# KiCad board KlusterLab r2.0.kicad_pcb (continued)
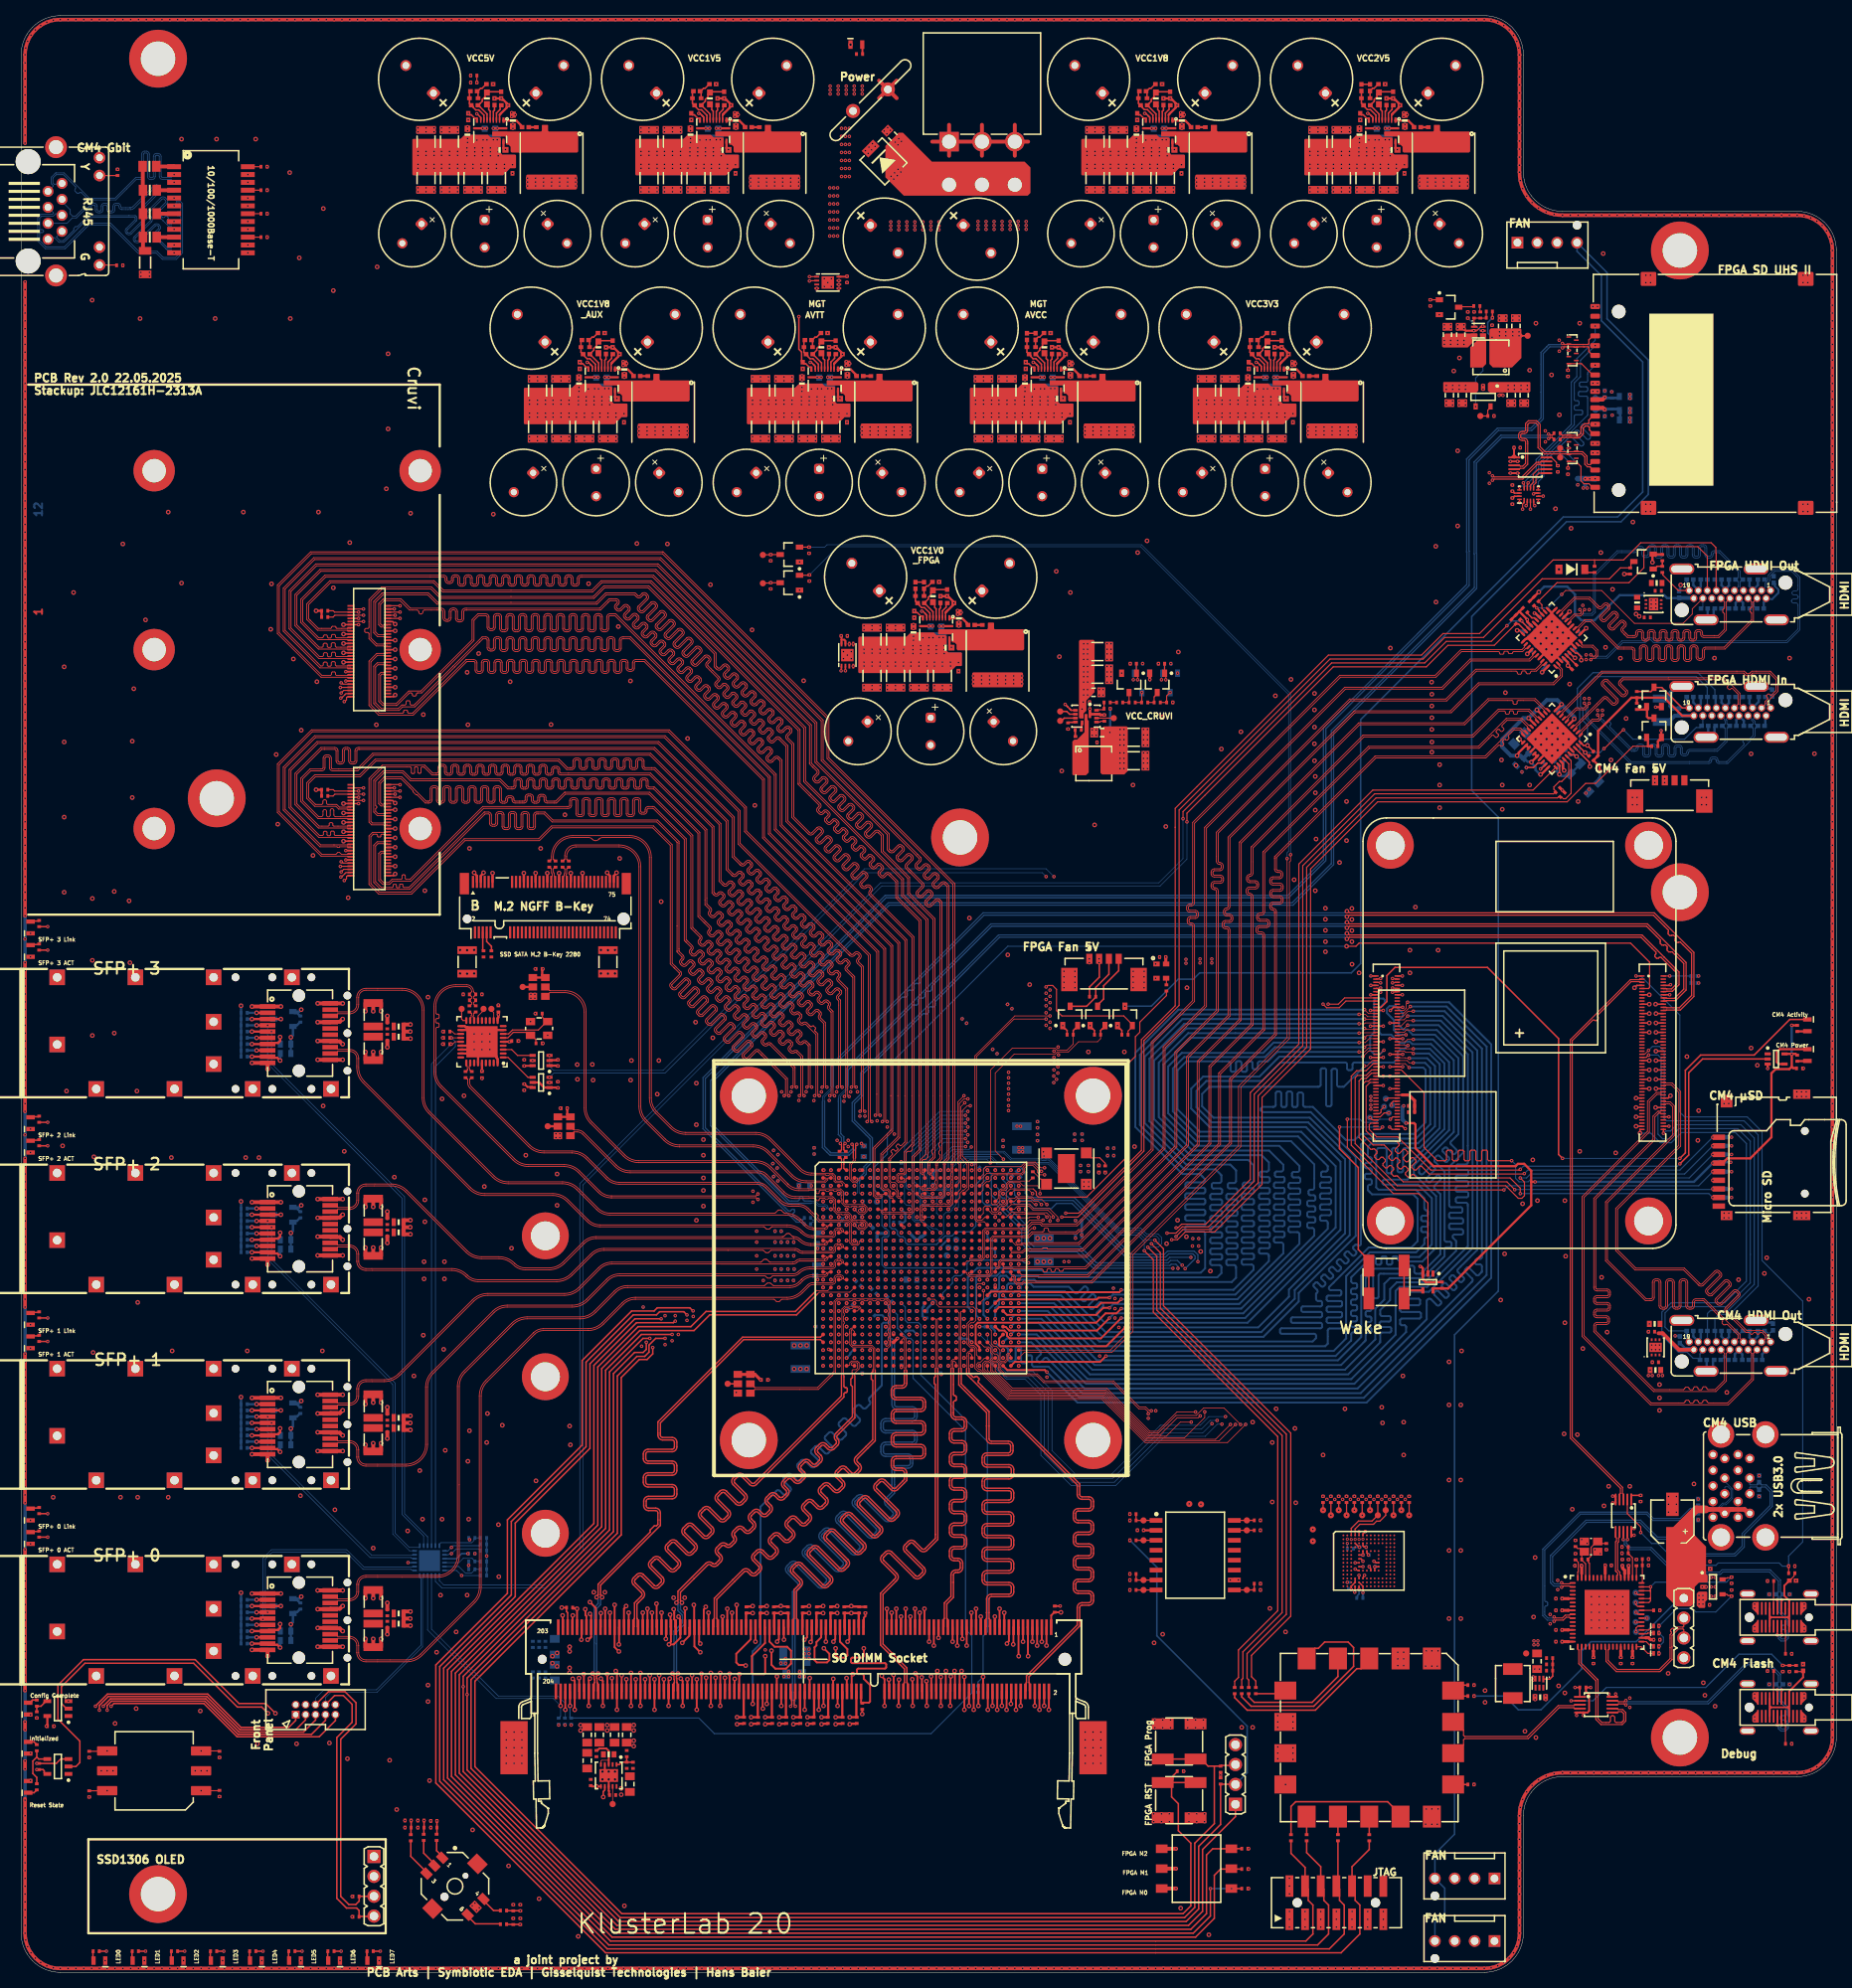
[diagram p0: board, top side]
## Nets (continued)
NetJ34_9: J34.9 R149.2
NetJ34_11: J34.11 R137.2
NetL9_2: L9.2 U6.4
NetL20_1: L20.1 R323.1 U37.8
NetL21_2: L21.2 U40.4
NetQ9_1: Q9.1 R161.2 R162.1
NetQ10_3: Q10.3 Q11.1 R171.1
NetQ13_3: Q13.3 R327.1 R328.2
NetQ14_3: Q14.3 R328.1 R329.2
NetQ15_3: Q15.3 R329.1 R330.2
NetQ16_3: Q16.3 R330.1 R331.2
NetQ17_3: Q17.3 R341.1
NetR16_1: R16.1 U1.M6
NetR68_2: R68.2 R73.1 U7.48
NetR74_2: R74.2 U7.41
NetR76_1: R76.1 T1.10
NetR77_1: R77.1 T1.7
NetR78_2: R78.2 U7.64
NetR80_2: R80.2 U7.49
NetR96_2: R96.2 U11.15
NetR97_2: R97.2 U11.10
NetR98_1: R98.1 R102.2 U11.18
NetR99_2: R99.2 U11.11
NetR100_2: R100.2 U11.12
NetR101_2: R101.2 U11.13
NetR103_2: R103.2 Y2.1
NetR104_1: R104.1 Y2.3
NetR106_1: R106.1 R108.1 U12.4
NetR107_1: R107.1 R109.2 U15.4
NetR113_1: R113.1 U11.3
NetR114_1: R114.1 U11.4
NetR115_1: R115.1 U11.5
NetR116_1: R116.1 U11.6
NetR117_1: R117.1 U1.B26
NetR131_1: R131.1 T1.4
NetR148_1: R148.1 Y7.3
NetR150_1: R150.1 T1.1
NetR152_2: R152.2 U19.30
NetR156_2: R156.2 U19.7
NetR157_2: R157.2 U19.6
NetR160_2: R160.2 U19.5
NetR163_2: R163.2 U19.25
NetR178_2: R178.2 S5.1
NetR184_2: R184.2 S5.3
NetR185_2: R185.2 S5.2
NetR186_2: R186.2 S5.4
NetR188_2: R188.2 S5.6
NetR200_1: R200.1 R203.2 U22.22
NetR201_1: R201.1 R204.2 U22.23
NetR202_1: R202.1 R205.2 U22.18
NetR207_2: R207.2 R210.1
NetR211_2: R211.2 U23.21
NetR213_1: R213.1 U28.1
NetR218_2: R218.2 U28.3
NetR219_2: R219.2 U28.4
NetR221_1: R221.1 U29.1
NetR226_2: R226.2 U29.3
NetR227_2: R227.2 U29.4
NetR232_1: R232.1 U13.1
NetR234_1: R234.1 U30.1
NetR239_2: R239.2 U30.3
NetR240_2: R240.2 U30.4
NetR242_1: R242.1 U31.1
NetR247_2: R247.2 U31.3
NetR248_2: R248.2 U31.4
NetR250_1: R250.1 U32.1
NetR274_2: R274.2 U1.B25
NetR288_2: R288.2 R300.1
NetR292_2: R292.2 U13.3
NetR293_2: R293.2 U13.4
NetR295_2: R295.2 U32.3
NetR296_2: R296.2 U32.4
NetR298_1: R298.1 U33.1
NetR303_2: R303.2 U33.3
NetR304_2: R304.2 U33.4
NetR306_1: R306.1 U34.1
NetR308_2: R308.2 R322.1
NetR311_2: R311.2 U34.3
NetR312_2: R312.2 U34.4
NetR314_1: R314.1 U35.1
NetR319_2: R319.2 U35.3
NetR320_2: R320.2 U35.4
NetR325_1: R325.1 R326.2 U37.12
NetR326_1: R326.1 R327.2
NetR340_1: R340.1 R341.2
NetS1_1: S1.1 S1.3 U4.4
NetTP1_1: TP1.1 U2.9
NetTP8_1: TP8.1 U1.M17
NetTP9_1: TP9.1 U1.L18
NetTP10_1: TP10.1 U1.L17
NetTP11_1: TP11.1 U1.K18
NetTP12_1: TP12.1 U11.9
NetTP13_1: TP13.1 U23.18
NetTP14_1: TP14.1 U23.11
NetTP15_1: TP15.1 U23.15
NetTP16_1: TP16.1 Y4.2
NetTP17_1: TP17.1 Y5.2
NetTP18_1: TP18.1 Y6.2
NetTP21_1: TP21.1 U1.E8
NetTP22_1: TP22.1 U1.M12
NetTP26_1: TP26.1 U7.38
NetTP27_1: TP27.1 U7.37
NetTP29_1: TP29.1 U37.4
NetTP30_1: TP30.1 U37.5
NetTP31_1: TP31.1 U37.10
PCIe_C_TX0_N: C82.1 U1.A3
PCIe_C_TX0_P: C81.1 U1.A4
PCIe_CLKREQ: J8.102 R69.1 R70.1
PCIe_PERST: J8.109 U1.P18
PCIe_REFCLK_N: J8.112 U1.D5
PCIe_REFCLK_P: J8.110 U1.D6
PCIe_RX0_N: J8.124 U1.B5
PCIe_RX0_P: J8.122 U1.B6
PCIe_TX0_N: C82.2 J8.118
PCIe_TX0_P: C81.2 J8.116
Pi_Activity: D1.1 J7.21
PI_~{EXTRST: J7.100 U1.U16
Power_LED: J7.95 U3.2
PSU_CTRL.1V0_FPGA_EN: NT8.1 U13.8
PSU_CTRL.1V0_FPGA_PG: NT4.2 R254.2 U13.9
PSU_CTRL.1V0_MGTAVCC_EN: NT7.1 U33.8
PSU_CTRL.1V0_MGTAVCC_PG: NT6.2 R299.2 U33.9
PSU_CTRL.1V2_MGTAVTT_EN: NT6.1 U32.8
PSU_CTRL.1V2_MGTAVTT_PG: NT1.2 NT2.2 NT3.2 NT5.2 NT9.2 R251.2 U32.9
PSU_CTRL.1V5_EN: NT5.1 U31.8
PSU_CTRL.1V5_PG: R243.2 U31.9
PSU_CTRL.1V8_EN: NT3.1 U29.8
PSU_CTRL.1V8_PG: R222.2 U29.9
PSU_CTRL.1V8AUX_EN: NT4.1 U30.8
PSU_CTRL.1V8AUX_PG: NT7.2 R235.2 U30.9
PSU_CTRL.2V5_EN: NT2.1 U34.8
PSU_CTRL.2V5_PG: R307.2 U34.9
PSU_CTRL.3V3_EN: NT1.1 U35.8
PSU_CTRL.3V3_PG: R315.2 U35.9
PSU_CTRL.5V0_EN: R228.1 R229.2 U28.8
PSU_CTRL.5V0_PG: NT8.2 R214.2 U28.9
PSU_CTRL.VCC_CRUVI_EN: NT9.1 U37.3
PSU_CTRL.VCC_CRUVI_PG: R324.2 U37.6
REC_CLOCK_C_N: C191.2 R206.2 R231.2 U1.P21
REC_CLOCK_C_P: C189.2 R206.1 R230.2 U1.R21
REC_CLOCK_N: C191.1 U23.17
REC_CLOCK_P: C189.1 U23.16
RUN_PG: J7.92 U4.2
SATA_RX_C_N: C86.1 U1.C3
SATA_RX_C_P: C85.1 U1.C4
SATA_RX_N: C86.2 J6.43
SATA_RX_P: C85.2 J6.41
SATA_TX_C_N: C84.1 U1.B1
SATA_TX_C_P: C83.1 U1.B2
SATA_TX_N: C84.2 J6.47
SATA_TX_P: C83.2 J6.49
SCL_0: J7.80 TP2.1
SDA_0: J7.82 TP3.1
SDCARD.CD: D32.5 J19.8 R337.2 U1.AC22
SDCARD.CLK: U1.AE22 U38.5
SDCARD.CLK_FB: U1.AA22 U38.6
SDCARD.CMD: U1.AB22 U38.16
SDCARD.DAT0: U1.AD24 U38.3
SDCARD.DAT1: U1.AC21 U38.4
SDCARD.DAT2: U1.AD23 U38.1
SDCARD.DAT3: U1.AB21 U38.2
SDCARD.EN: R343.1 U1.AF23 U40.5 U41.4
SDCARD.Fault: R347.2 TP38.1 U41.5
SDCARD.MUX-SEL: R336.1 U1.AE23 U39.10
SDCARD.PERX_N: C523.2 D83.1 J19.13
SDCARD.PERX_P: C522.2 D83.9 J19.15
SDCARD.PETX_N: C521.2 D32.8 J19.6
SDCARD.PETX_P: C520.2 D32.2 J19.4
SDCARD.RCLK_N: U1.AE25 U39.8
SDCARD.RCLK_P: U1.AD25 U39.9
SDCARD.VDD: C529.1 D33.1 J19.12 R345.2 R346.2 TP32.1
SDCARD.VDD2: C528.1 D34.1 J19.11 R348.2 TP33.1
SDCARD.VDD3: C527.1 D82.1 J19.20 TP34.1
SDCARD.VSEL: Q17.1 R344.1 U1.AF22
SDCARD.WP: D83.5 J19.21 R338.2 U1.Y20
SDCARD_CLK: J19.14 U38.8
SDCARD_CMD: J19.7 U38.13
SDCARD_DAT0: U38.10 U39.7
SDCARD_DAT1: U38.9 U39.6
SDCARD_DAT2: J19.3 U38.12
SDCARD_DAT3: J19.5 U38.11
SDCARD_PERX_N: C521.1 U1.G3
SDCARD_PERX_P: C520.1 U1.G4
SDCARD_PETX_N: C523.1 U1.F1
SDCARD_PETX_P: C522.1 U1.F2
SFP+_0_ACT: R276.1 U1.T25
SFP+_0_I2C_SCL: J2.5 R23.1 U22.8
SFP+_0_I2C_SDA: J2.4 R22.1 U22.7
SFP+_0_Link: R275.1 U1.T24
SFP+_0_LOS: J2.8 R30.1 U1.T19
SFP+_0_MOD_ABS: J2.6 R24.1
SFP+_0_RS0: J2.7 R25.1 R26.1
SFP+_0_RS1: J2.9 R27.1 R29.1
SFP+_0_TX_DIS_LS: J2.3 Q1.3 R21.1
SFP+_0_TX_EN: Q1.1 R28.2 U1.R18
SFP+_0_TX_FAULT: J2.2 R20.1
SFP+_1_ACT: R278.1 U1.R23
SFP+_1_I2C_SCL: J3.5 R34.1 U22.11
SFP+_1_I2C_SDA: J3.4 R33.1 U22.10
SFP+_1_Link: R277.1 U1.T22
SFP+_1_LOS: J3.8 R41.1 U1.M19
SFP+_1_MOD_ABS: J3.6 R35.1
SFP+_1_RS0: J3.7 R36.1 R37.1
SFP+_1_RS1: J3.9 R38.1 R40.1
SFP+_1_TX_DIS_LS: J3.3 Q2.3 R32.1
SFP+_1_TX_EN: Q2.1 R39.2 U1.N18
SFP+_1_TX_FAULT: J3.2 R31.1
SFP+_2_ACT: R280.1 U1.N21
SFP+_2_I2C_SCL: J4.5 R45.1 U22.13
SFP+_2_I2C_SDA: J4.4 R44.1 U22.12
SFP+_2_Link: R279.1 U1.N22
SFP+_2_LOS: J4.8 R52.1 U1.R17
SFP+_2_MOD_ABS: J4.6 R46.1
SFP+_2_RS0: J4.7 R47.1 R48.1
SFP+_2_RS1: J4.9 R49.1 R51.1
SFP+_2_TX_DIS_LS: J4.3 Q3.3 R43.1
SFP+_2_TX_EN: Q3.1 R50.2 U1.N17
SFP+_2_TX_FAULT: J4.2 R42.1
SFP+_3_ACT: R282.1 U1.R22
SFP+_3_I2C_SCL: J5.5 R56.1 U22.15
SFP+_3_I2C_SDA: J5.4 R55.1 U22.14
SFP+_3_Link: R281.1 U1.R20
SFP+_3_LOS: J5.8 R63.1 U1.R16
SFP+_3_MOD_ABS: J5.6 R57.1
SFP+_3_RS0: J5.7 R58.1 R59.1
SFP+_3_RS1: J5.9 R60.1 R62.1
SFP+_3_TX_DIS_LS: J5.3 Q4.3 R54.1
SFP+_3_TX_EN: Q4.1 R61.2 U1.P16
SFP+_3_TX_FAULT: J5.2 R53.1
SI5324_OUT_N: C192.1 U23.29
SI5324_OUT_P: C190.1 U23.28
SI5324_REFCLK_N: C192.2 R17.2 U1.K5
SI5324_REFCLK_P: C190.2 R17.1 U1.K6
SI5324_SCL: R209.1 U22.17 U23.22
SI5324_SDA: R208.1 U22.16 U23.23
SI5324_~{INIT: U23.3 U24.4
SI5324_~{INIT}_LS: U1.V24 U24.3
SI5324~{_RST: U23.1 U36.4
SI5324~{_RST}_LS: U1.V22 U36.3
SMBUSz: TP28.1 U7.39
Switch_0: R176.2 SW1.1 U1.E25
Switch_1: R177.2 SW1.2 U1.E26
Switch_2: R181.2 SW1.4 U1.D25
Switch_3: R182.2 SW1.8 U1.C22
SYS_FAN_PWM: Q12.2 R291.1 U1.C19
TEMP_I2C_SCL: Q6.3 R89.1 TP20.1 U26.2 U27.2
TEMP_I2C_SCL_LS: Q6.2 R90.1 U1.AE26
TEMP_I2C_SDA: Q5.3 R87.1 TP19.1 U26.1 U27.1
TEMP_I2C_SDA_LS: Q5.2 R88.1 U1.AD26
UART_USB_RxD: R115.2 U1.A17
UART_USB_TxD: R116.2 U1.K15
UART_USB_~{CTS: R113.2 U1.F18
UART_USB_~{RTS: R114.2 U1.B17
USB_CM4Flash_N: D81.1 J14.A6 J14.B6 U10.8
USB_CM4Flash_P: D76.1 J14.A7 J14.B7 U10.9
USB_HUB_RST: C52.1 R75.1 U7.50
USB_MUX_SEL: C55.1 R83.2 R84.2 U9.2
USB_OVRCURR: R133.2 U7.43 U7.44 U7.46 U7.47 U8.5
USB_PWR_EN: D77.2 D78.2 D79.2 D80.2 R86.2 U8.4
USER_LED_0: R189.2 U1.G21
USER_LED_1: R190.2 U1.J26
USER_LED_2: R191.2 U1.G26
USER_LED_3: R192.2 U1.H26
USER_LED_4: R193.2 U1.G25
USER_LED_5: R194.2 U1.F24
USER_LED_6: R195.2 U1.F25
USER_LED_7: R196.2 U1.G24
uUSB_N: D25.1 J13.A6 J13.B6 U9.8
uUSB_P: D24.1 J13.A7 J13.B7 U9.9
VRN_32: R3.1 U1.V13
VRN_33: R6.1 U1.U9
VRN_34: R8.1 U1.U4
VRP_32: R1.1 U1.W13
VRP_33: R5.1 U1.V12
VRP_34: R7.1 U1.T7
VSEL.ADJ1: Q16.1 R335.1 U1.T23
VSEL.ADJ2: Q15.1 R334.1 U1.T20
VSEL.ADJ3: Q14.1 R333.1 U1.U17
VSEL.ADJ4: Q13.1 R332.1 U1.T18
VTTDDR: C10.1 C11.1 C12.1 C13.1 C39.2 C40.1 C57.2 C58.2 C59.2 C78.1 C79.1 C80.1 J1.203 J1.204 U2.3 U2.5
VTTVREF: C1.1 C2.1 C3.1 C9.1 C16.1 J1.1 J1.126 U1.AD3 U1.AE11 U1.AE16 U1.W4 U1.W8 U1.Y18 U2.6

Pads without a net: D32 1 4 6 7 9; D83 2 6 8; J1 77 122 125; J6 1 7 9 10 20 21 22 23 24 25 26 28 29 30 31 32 34 35 36 37 38 40 42 44 46 48 50 52 53 54 55 56 58 59 60 61 62 63 64 65 66 67 68 69 75 MT; J7 16 18 19 20 64 68 70 72 73 75 76 94 96 97; J8 104 106 111 115 117 121 123 127 128 129 130 133 134 135 136 139 140 141 142 143 145 146 147 148 149 152 154 157 158 159 160 163 164 165 166 169 171 175 177 181 183 187 189 193 194 195 196; J9 5 6 8 9 14 15 17 18; J10 3 4; J11 14; J12 9; J13 A2 A3 A8 A10 A11 B2 B3 B8 B10 B11; J14 A2 A3 A8 A10 A11 B2 B3 B8 B10 B11; J18 12 14; J19 2; J21 1 50 52 56 58; J23 14; J24 14; J27 1 50 52 56 58; J29 3; J30 3; J31 3; U1 A18 A19 AA2 AD5 AD10 AE8 AE10 AE12 AE13 AF8 AF9 AF10 AF12 AF13 B16 B20 C16 D1 D2 E3 E4 E21 H21 J8 J14 J18 J19 J20 J21 J23 J25 K16 K17 K20 K21 K22 K23 L19 L20 L22 L23 M16 N16 T17 U19 U20 U21 V14 W14; U3 1; U4 1; U5 4; U7 3 4 6 7 11 12 14 15 19 20 22 23 26 27 29 30 55 56 58 59 60; U12 1; U14 A1 A2 A7 A8 A9 A10 A11 A12 A13 A14 B1 B7 B8 B9 B10 B11 B12 B13 B14 C1 C3 C5 C7 C8 C9 C10 C11 C12 C13 C14 D1 D2 D3 D4 D12 D13 D14 E1 E2 E3 E5 E8 E9 E10 E12 E13 E14 F1 F2 F3 F10 F12 F13 F14 G1 G2 G3 G10 G12 G13 G14 H1 H2 H3 H12 H13 H14 J1 J2 J3 J12 J13 J14 K1 K2 K3 K6 K7 K10 K12 K13 K14 L1 L2 L3 L12 L13 L14 M1 M2 M3 M7 M8 M9 M10 M11 M12 M13 M14 N1 N3 N6 N7 N8 N9 N10 N11 N12 N13 N14 P1 P2 P7 P8 P9 P10 P11 P12 P13 P14; U15 1; U17 4 5 6 11 12 13 14; U20 4; U22 25; U23 2 4 9 12 13 14 27 30 33 34 35; U26 3; U27 3; Y2 5

## Via types
v1: diameter 0.45, hole 0.2, L1 Top to L12 Bottom, 4200 vias
v2: diameter 0.6, hole 0.3, L1 Top to L12 Bottom, 908 vias
v3: diameter 0.4, hole 0.2, L1 Top to L12 Bottom, 7 vias

## Routing (per net, layer and track width the routed paths; a pad name or vN(x,y) marks a point on that pad's centre or on a via; arc(x,y) is an arc through that point)
5V_PI_HDMI: length 7.6
  L1 Top w0.5: J11.18 211.9,79.55 209.8,81.65 209.28,81.65
  L12 Bottom w0.3: D3.1 212,80.38 212.12,80.25 212.15,80.25 212.65,79.75 213.4,79.75 213.6,79.55 J11.18 213.74,79.59
5V_TX_HDMI: length 26.5
  L1 Top w0.3: v2(193.97,176.35) R153.2 R154.2
  L12 Bottom w0.3: 211.92,175.59 210.36,175.59 210,175.95 204.3,175.95 201.1,172.75 199.4,172.75 198.6,173.55 198.6,176.05 197.6,177.05 194.67,177.05 v2(193.97,176.35)
  L12 Bottom w0.5: J23.18 213.74,175.59 211.92,175.59
+1V1: length 11.3
  L1 Top w0.25: U7.51 205.45,50.95 ; U7.57 202.45,50.95 ; 197.75,43.75 U7.13 ; 200.95,41.05 U7.21 ; 205.95,41.05 U7.31 ; 204.45,41.05 U7.28 ; 197.75,46.25 U7.8 ; 197.75,47.75 U7.5
  L1 Top w0.4: v1(196.95,46.25) 197.75,46.25 ; v1(196.95,47.75) 197.75,47.75 ; v1(196.95,43.75) 197.75,43.75 ; 202.46,50.95 v1(202.46,52) ; v1(204.45,40.24) 204.45,41.05 ; v1(205.95,40.24) 205.95,41.05 ; 205.45,50.95 v1(205.45,51.95) ; v1(200.95,40.24) 200.95,41.05
  vias: v1(193.35,42.35) v1(193.35,41.85) v1(193.85,42.35) v1(193.85,41.85)
GND: length 8020.1
  L1 Top w0.15: v1(185.68,209.75) 185.74,209.81 186.12,209.81 186.49,210.19 186.76,210.19 U40.6
  L1 Top w0.2: v1(176.57,123.3) J7.22 175.4,123.3 v1(175,122.9) ; J8.173 v2(208.09,112.9) ; v1(171.5,48.53) U14.P6 U14.N5 ; 42.16,145.73 41.21,145.73 v2(41.2,145.73) ; 42.16,145.73 42.16,145.74 ; 42.16,145.73 J27.31 ; J8.131 v2(208.09,121.3) ; 175.63,115.7 v1(176.57,115.7) ; J21.48 46.84,165.4 47.8,165.4 v2(47.8,165.4) ; v1(174.94,114.5) J7.66 ; v2(41.21,148.13) 41.21,148.13 J27.19 ; 89.65,237.26 89.65,237.33 ; 89.65,237.26 U31.2 ; 89.65,237.26 89.81,237.42 ; 89.65,237.33 89.65,237.4 89.9,237.65 ; 89.65,237.33 89.74,237.42 ; J27.25 41.21,146.93 v2(41.21,146.93) ; v2(208.94,121.3) J8.132 ; v2(206.4,110.5) J8.185 ; 103.9,205.53 103.9,205.6 104.15,205.85 ; 103.9,205.53 103.9,205.46 ; 103.9,205.53 103.99,205.62 ; U14.H10 173.49,52.34 173.15,52.34 172.96,52.53 v1(172.9,52.53) ; 146.65,237.33 146.65,237.4 146.9,237.65 ; 146.65,237.33 146.74,237.42 ; 146.65,237.33 146.65,237.26 ; v1(210.8,126.18) 210.69,126.18 210.61,126.1 J8.108 ; v1(41.5,143.33) J27.43 ; v1(174.94,115.7) J7.60 ; U30.2 75.4,205.46 ; 75.4,205.46 75.56,205.62 ; 75.4,205.46 75.4,205.53 ; v2(208.94,116.5) J8.156 ; 42.16,168.6 42.16,168.59 ; 42.16,168.59 J21.31 ; 42.16,168.59 41.21,168.59 v2(41.2,168.59) ; J27.30 46.84,146.14 47.8,146.14 v2(47.8,146.14) ; v1(174.94,121.3) J7.32 ; J27.48 46.84,142.54 47.8,142.54 v2(47.8,142.54) ; v2(47.8,172.26) 47.8,172.26 47.48,172.58 46.85,172.58 J21.12 ; 132.4,205.53 132.49,205.62 ; 132.4,205.53 132.4,205.6 132.65,205.85 ; 132.4,205.53 132.4,205.46 ; v1(172.46,122.9) 173.4,122.9 ; U34.2 175.15,237.26 ; 175.15,237.26 175.15,237.33 ; 175.15,237.26 175.31,237.42 ; 61.15,237.26 61.31,237.42 ; 61.15,237.26 61.15,237.33 ; 61.15,237.26 U28.2 ; U29.2 146.65,237.26 ; 146.65,237.26 146.81,237.42 ; 75.4,205.53 75.4,205.6 75.65,205.85 ; 75.4,205.53 75.49,205.62 ; J7.98 176.53,108.1 176.83,107.8 v1(176.9,107.8) ; 103.9,205.46 104.06,205.62 ; 103.9,205.46 U32.2 ; v2(208.9,110.5) J8.186 ; U35.2 160.9,205.46 ; 160.9,205.46 160.9,205.53 ; 160.9,205.46 161.06,205.62 ; v1(174.94,112.9) J7.74 ; v2(208.94,120.1) J8.138 ; J8.107 206.5,126.1 206.2,125.8 v2(206.2,125.8) ; U14.A6 171.5,56.03 v1(171.8,56.33) ; 61.15,237.33 61.24,237.42 ; 61.15,237.33 61.15,237.4 61.4,237.65 ; J7.53 v1(174.09,116.9) ; J27.18 46.84,148.54 47.8,148.54 v2(47.8,148.54) ; v1(41.5,142.13) J27.49 ; v2(41.21,170.99) 41.21,170.99 J21.19 ; J7.33 v1(174.09,120.9) ; v2(47.8,169) 47.8,169 46.84,169 J21.30 ; v2(208.94,117.7) J8.150 ; v1(41.5,166.19) J21.43 ; v2(47.8,171.4) 47.8,171.4 46.84,171.4 J21.18 ; 160.9,205.53 160.9,205.6 161.15,205.85 ; 160.9,205.53 160.99,205.62 ; v1(41.5,164.99) J21.49 ; J8.155 v2(208.09,116.5) ; v1(171.5,52.53) 171.5,52.59 171.25,52.83 U14.G5 ; J7.43 v1(174.09,118.9) ; J7.8 v1(176.53,126.1) ; U14.K8 172.49,51.34 172.49,51.57 172.3,51.76 v1(172.3,51.83) ; v1(172.5,126.1) J7.7 ; J7.65 v1(174.09,114.5) ; 118.15,173.66 118.31,173.82 ; 118.15,173.66 118.15,173.73 ; 118.15,173.66 U13.2 ; v1(172.46,120.9) 173.4,120.9 ; J27.54 46.84,141.34 47.8,141.34 v2(47.8,141.34) ; v2(47.8,170.2) 47.8,170.2 46.84,170.2 J21.24 ; v2(208.94,115.3) J8.162 ; U14.J5 v1(171.5,51.83) ; J8.192 v1(210.6,109.3) ; C148.2 4.5,26.7 5.05,27.25 U12.3 ; v2(41.2,172.19) 41.21,172.2 42.16,172.2 J21.13 v1(43.13,172.19) ; 175.63,119.3 v1(176.57,119.3) ; v2(208.9,123.7) J8.120 ; J8.167 v2(208.09,114.1) ; J27.24 46.84,147.34 47.8,147.34 v2(47.8,147.34) ; v1(193.3,188.9) 193.37,188.9 193.47,189 U38.7 ; 175.15,237.33 175.15,237.4 175.4,237.65 ; 175.15,237.33 175.24,237.42 ; v2(47.8,166.6) 47.8,166.6 46.84,166.6 J21.42 ; v2(41.21,144.53) 41.21,144.53 J27.37 ; J21.54 46.84,164.2 47.8,164.2 v2(47.8,164.2) ; J21.37 41.21,167.39 v2(41.21,167.39) ; 175.63,117.3 v1(176.57,117.3) ; J8.119 v2(208.09,123.7) ; 118.15,173.73 118.15,173.8 118.4,174.05 ; 118.15,173.73 118.24,173.82 ; v2(41.2,149.33) 41.21,149.34 42.16,149.34 J27.13 v1(43.13,149.33) ; v1(174.94,119.3) J7.42 ; v2(47.8,143.74) 47.8,143.74 46.84,143.74 J27.42 ; J7.2 v1(176.53,127.3) ; J27.12 46.85,149.72 47.48,149.72 47.8,149.4 v2(47.8,149.4) ; U33.2 132.4,205.46 ; 132.4,205.46 132.56,205.62 ; J8.198 v1(210.6,108.1) ; v2(208.94,114.1) J8.168 ; 68.6,116.6 v1(68.6,116.6) ; v2(206.4,108.1) J8.197 ; U14.P4 170.49,49.32 170.49,48.62 v1(170.44,48.58) ; v2(208.94,122.5) J8.126 ; J21.25 41.21,169.79 v2(41.21,169.79) ; J8.137 v2(208.09,120.1) ; v2(208.94,112.9) J8.174 ; J7.71 v1(174.09,113.3) ; v2(206.4,109.3) J8.191 ; J8.113 v2(208.09,124.9) ; v1(174.94,117.3) J7.52 ; J8.161 v2(208.09,115.3) ; J8.114 v1(210.7,124.9) ; v2(208.94,118.9) J8.144 ; J7.14 v1(176.53,124.9) ; v1(172.5,127.3) J7.1 ; U14.E7 172,53.82 172,53.59 172.2,53.4 v1(172.2,53.33) ; v1(172.5,124.9) J7.13 ; U14.C4 171,54.33 ; J8.125 v2(208.09,122.5) ; v1(172.46,116.9) 173.4,116.9 ; J8.180 210.5,111.7 210.8,112 v2(210.8,112) ; J7.59 v1(174.09,115.7) ; J7.23 v1(174.09,122.9) ; v2(206.4,111.7) J8.179
  L1 Top w0.249: v2(80.95,33.55) v2(80.95,37.45) ; v2(89.35,34.05) J1.134 v2(89.35,38.25) ; v2(88.15,38.25) J1.138 v2(88.15,34.05) ; v2(91.2,37.5) 91.18,37.48 91.18,35.93 J1.128 ; v2(112.15,34.05) J1.66 112.18,35.93 112.18,37.38 v2(112.2,37.4) ; v2(110.35,34.05) J1.72 110.35,37.46 110,37.81 v2(110,37.9) ; v2(118.83,37.81) 118.79,37.77 118.79,35.94 J1.44 v2(118.75,34.05) ; v2(70.75,33.55) J1.196 70.75,37.25 v2(70.5,37.5) ; J1.133 v2(89.65,45.45) ; v2(81.2,47.1) 81.23,47.08 81.23,44.12 J1.161 ; v2(77.95,38.25) J1.172 v2(77.95,34.05) ; v2(117.25,42.75) J1.49 ; v2(72.7,45.8) 72.7,45.71 72.85,45.56 J1.189 72.85,42.85 72.73,42.73 72.72,42.73 72.5,42.5 v2(72.4,42.5) ; J1.185 74.08,44.13 74.08,45.88 v2(74.1,45.9) ; J1.54 v2(115.75,34.05) ; v2(85.98,46.95) 86.01,46.91 86.01,44.14 ; v2(131.05,41.75) J1.3 ; v2(117.55,37.75) J1.48 v2(117.55,34.05) ; J1.61 v2(113.65,45.45) ; v2(131.35,33.55) J1.2 ; J1.195 v2(71.05,46.45) ; v2(115.7,37.2) 115.73,37.18 115.73,35.93 115.7,35.9 ; J1.145 86.05,41.65 v2(86.8,40.9) ; v2(119.05,42.25) J1.43 ; v2(74.35,34.05) J1.184 74.35,37.23 74.11,37.47 v2(74.11,37.53) ; v2(76.15,33.55) J1.178 76.15,38.35 v2(76,38.5) ; v2(79.15,38.25) J1.168 v2(79.15,34.05) ; v2(86.35,33.55) J1.144 v2(86.35,37.45) ; J1.173 v2(77.65,45.95) ; v2(76.4,41) 75.85,41.55 J1.179 v2(75.85,46.95) ; J1.197 70.48,44.13 70.48,45.58 v2(70.5,45.6) ; v2(124.15,34.05) J1.26 ; v2(82.75,34.05) J1.156 82.75,37.3 82.89,37.44 v2(82.89,37.53) ; J1.127 v2(91.45,46.95) ; J1.139 v2(87.85,45.95) ; 84.2,44.15 84.2,45.18 84.02,45.35 v2(84.02,45.45) ; v2(128.05,42.25) J1.13 ; v2(129.25,42.25) J1.9 ; v2(72.55,34.05) J1.190 72.55,37.3 72.69,37.44 v2(72.69,37.53) ; v2(84.31,37.53) 84.31,37.47 84.55,37.23 J1.150 v2(84.55,34.05) ; v2(126,42) 126,42.09 126.25,42.34 J1.19 ; v2(122.35,34.05) J1.32 ; v2(113.9,37.45) 113.93,37.43 113.93,35.93 J1.60 v2(113.95,34.05) ; v2(82.94,45.7) 83,45.64 83,44.15 J1.155 83.05,42.24 82.8,41.99 v2(82.8,41.9) 83.4,41.9 84.25,42.75 J1.151 ; J1.25 v2(124.45,45.45) ; J1.65 v2(112.45,45.45) ; J1.71 v2(110.65,46.45) ; v2(120.85,41.75) J1.37 ; J1.201 69.23,44.13 69.23,45.58 v2(69.2,45.6) ; v2(120.55,33.55) v2(120.55,37.75) ; v2(122.65,45.45) J1.31 122.65,43.6 ; v2(125.95,33.55) J1.20 ; J1.167 v2(79.45,45.95) ; v2(127.75,34.05) J1.14 ; J1.8 v2(129.55,34.05) ; J1.55 v2(115.45,46.45)
  L1 Top w0.25: U2.4 74.6,25.85 74.4,25.65 v2(74.3,25.65) ; 107.5,33.6 R11.1 107.5,33 ; v1(199.67,32.84) 199.67,33.2 199.67,33.2 ; v2(75.1,24.65) U2.8 75.1,23.2 75.14,23.16 75.14,22.71 C5.1 ; v1(203.8,35.56) 203.8,35.2 203.8,35.2 U9.10 202.93,35.2 202.93,35.2 v1(202.93,35.56) ; v1(200.6,36.4) C143.2 200,35.9 200.4,35.5 200.4,33.4 200.2,33.2 199.67,33.2 ; v1(206.15,56.72) 205.79,56.72 U10.10 205.79,55.85 205.79,55.85 v1(206.15,55.85) ; 199.23,33.2 198.8,33.2 198.8,33.2 v1(198.8,32.84) ; 199.23,33.2 U9.5 ; 199.23,33.2 199.67,33.2 ; C35.2 97.95,46.75 97.15,46.75 v2(97.1,46.8) ; v1(203.42,60.85) 203.79,60.85 203.79,60.85 U10.5 203.79,59.98 203.79,59.98 v1(203.42,59.98) ; v1(132.8,46.8) 132.8,46.8 132.1,46.8 C16.2
  L1 Top w0.28: v1(185.68,209.75) 184.63,209.75 184.13,210.25 C532.2
  L1 Top w0.3: R161.1 209.73,181.18 208.62,181.18 Q9.2 208.5,181.11 v2(208.5,180.15) ; v2(59.1,140.5) 59.1,140.45 58.75,140.1 J6.5 ; 62.2,238.55 62.08,238.68 62.08,238.8 61.6,239.28 61.48,239.28 61.35,239.4 v1(61.35,239.43) v1(60.5,239.43) ; 62.2,238.55 v1(62.23,238.55) ; 62.2,238.55 62.08,238.43 62.08,238.26 61.24,237.42 ; 132.49,205.62 133.33,206.46 133.33,206.62 133.45,206.75 ; v1(223.23,115.48) U3.3 ; 104.95,206.75 v1(104.98,206.75) ; 104.95,206.75 104.83,206.88 104.83,207 104.35,207.48 104.23,207.48 104.1,207.6 v1(104.1,207.63) v1(103.25,207.63) ; 104.95,206.75 104.83,206.63 104.83,206.46 103.99,205.62 ; U24.2 67.57,116.54 68.5,116.54 68.51,116.55 68.56,116.55 C195.1 ; 119.2,174.95 v1(119.23,174.95) ; 119.2,174.95 119.08,174.83 119.08,174.66 118.24,173.82 ; 119.2,174.95 119.08,175.08 119.08,175.2 118.6,175.68 118.48,175.68 118.35,175.8 v1(118.35,175.83) v1(117.5,175.83) ; U23.25 v1(57.9,117.9) ; v1(57.9,117.9) 58.4,118.4 ; v1(57.9,117.9) 57.4,117.4 U23.26 ; 133.45,206.75 v1(133.48,206.75) ; 133.45,206.75 133.33,206.87 133.33,207 132.85,207.47 132.73,207.47 132.6,207.6 v1(132.6,207.62) v1(131.75,207.62) ; 227.7,115.45 C106.1 ; U23.20 57.4,120.4 ; 57.4,120.4 57.05,120.75 56.85,120.75 56.7,120.9 U23.19 ; 57.4,120.4 v1(57.9,119.9) v1(58.9,118.9) ; 94.09,31.81 94.05,31.77 93.45,31.77 93.38,31.7 v2(93.3,31.7) ; 104.89,31.81 104.85,31.77 104.25,31.77 104.18,31.7 v2(104.1,31.7) ; v2(76.1,140.5) 76.1,140.45 75.75,140.1 J6.73 ; v1(74.75,207.62) v1(75.6,207.62) 75.6,207.6 75.73,207.48 75.85,207.48 76.33,207 76.33,206.88 76.45,206.75 ; C15.1 70.5,46.55 70.54,46.51 70.91,46.51 70.97,46.45 v2(71.05,46.45) ; 75.49,205.62 76.33,206.46 76.33,206.63 76.45,206.75 ; 58.4,118.4 v1(58.9,118.9) ; 58.4,118.4 U23.31 ; 58.4,118.4 U23.24 ; v1(58.9,118.9) v1(59.9,119.9) 60.4,120.4 U23.8 ; v1(58.9,118.9) v1(59.9,117.9) 60.75,117.05 60.75,116.85 60.9,116.7 U23.36 ; 161.95,206.75 161.83,206.62 161.83,206.46 160.99,205.62 ; 161.95,206.75 v1(161.98,206.75) ; 161.95,206.75 161.83,206.87 161.83,207 161.35,207.47 161.23,207.47 161.1,207.6 v1(161.1,207.62) v1(160.25,207.62) ; 196.68,170.51 U19.14 ; 196.68,170.51 U19.41 ; 196.68,170.51 197.38,170.51 U19.8 ; 195.62,173.69 U19.20 ; 195.62,173.69 U19.41 ; 195.62,173.69 U19.21 ; U21.37 196.71,157.61 U21.41 ; 105.31,46.69 105.36,46.74 105.95,46.74 106.02,46.8 v2(106.1,46.8) 106.17,46.74 107.06,46.74 C18.2 R10.1 ; J6.45 v2(68.75,140.45) ; 97.69,31.81 97.65,31.77 97.05,31.77 96.98,31.7 v2(96.9,31.7) ; v2(100.5,31.7) 100.58,31.7 100.65,31.77 101.25,31.77 101.29,31.81 ; U19.41 195.62,169.45 ; U19.41 195.26,170.51 ; 147.7,238.55 147.58,238.42 147.58,238.26 146.74,237.42 ; 147.7,238.55 v1(147.73,238.55) ; 147.7,238.55 147.58,238.68 147.58,238.8 147.1,239.28 146.98,239.28 146.85,239.4 v1(146.85,239.43) v1(146,239.42) ; J6.11 v2(60.25,140.45) ; J6.3 58.25,140.1 57.9,140.45 v2(57.9,140.5) ; v2(95.3,46.8) 95.22,46.8 95.15,46.74 94.56,46.74 94.51,46.69 ; 176.2,238.55 176.08,238.43 176.08,238.26 175.24,237.42 ; 176.2,238.55 v1(176.23,238.55) ; 176.2,238.55 176.08,238.68 176.08,238.8 175.6,239.28 175.48,239.28 175.35,239.4 v1(175.35,239.43) v1(174.5,239.43) ; 195.62,169.45 195.62,168.74 U19.3 ; 195.62,169.45 U19.37 ; C105.1 179.51,88.2 179.15,88.55 U4.3 179.15,89.95 178.93,90.17 178.83,90.17 v1(178.8,90.2) ; v2(105.9,31.7) 105.98,31.7 106.05,31.77 106.65,31.77 106.69,31.81 ; v2(98.7,31.7) 98.78,31.7 98.85,31.77 99.45,31.77 99.49,31.81 ; U21.41 194.59,157.61 U21.24 ; U21.41 195.65,156.55 U21.27 ; 76.45,206.75 v1(76.48,206.75) ; v1(89,239.43) v1(89.85,239.43) 89.85,239.4 89.98,239.28 90.1,239.28 90.58,238.8 90.58,238.68 90.7,238.55 ; 195.26,170.51 U19.26 ; 195.26,170.51 192.54,170.51 192.38,170.35 192.28,170.35 U19.31 ; 101.71,46.69 101.76,46.74 102.36,46.74 102.42,46.8 v2(102.5,46.8) ; v2(74.9,140.5) 74.9,140.45 75.25,140.1 J6.71 ; J6.39 v2(67.25,140.45) ; v2(97.1,46.8) 97.02,46.8 96.95,46.74 96.36,46.74 96.31,46.69 ; 89.74,237.42 90.58,238.26 90.58,238.43 90.7,238.55 ; v2(104.3,46.8) 104.22,46.8 104.16,46.74 103.56,46.74 103.51,46.69 ; R170.1 209.19,157.28 209.37,157.46 209.47,157.46 209.65,157.63 209.62,157.66 209.62,158.63 v1(209.6,158.65) ; J6.27 v2(64.25,140.45) ; v1(208.9,161.65) 209.58,161.65 Q11.2 ; v2(91.5,31.7) 91.58,31.7 91.65,31.77 92.25,31.77 92.29,31.81 ; 92.71,46.69 92.76,46.74 93.35,46.74 93.42,46.8 v2(93.5,46.8) ; 99.91,46.69 99.96,46.74 100.56,46.74 100.62,46.8 v2(100.7,46.8) ; v2(95.1,31.7) 95.18,31.7 95.25,31.77 95.85,31.77 95.89,31.81 ; 103.09,31.81 103.05,31.77 102.45,31.77 102.38,31.7 v2(102.3,31.7) ; J6.51 v2(70.25,140.45) ; 90.7,238.55 v1(90.73,238.55) ; J6.33 v2(65.75,140.45) ; J6.57 v2(71.75,140.45)
  L1 Top w0.35: U37.1 136.6,160.75 U37.11 137.85,160.75 137.94,160.66 138.45,160.66 v1(138.45,160.66)
  L1 Top w0.4: U1.AC10 112,81 v1(112,81) ; v1(144.25,165.17) Q15.2
  L1 Top w0.45: 0.5,22.2 v1(0.5,20) v1(0.5,16) v1(0.5,13) v1(0.5,11) v1(0.5,7) v1(0.5,5) arc(1.82,1.82) v1(5,0.5) v1(8,0.5) v1(11,0.5) v1(14,0.5) v1(15,0.5) v1(20,0.5) v1(23,0.5) v1(27,0.5) v1(33,0.5) v1(34,0.5) v1(37,0.5) v1(43,0.5) v1(45,0.5) v1(47,0.5) v1(50,0.5) v1(51,0.5) v1(57,0.5) v1(59,0.5) v1(62,0.5) v1(64,0.5) v1(68,0.5) v1(71,0.5) v1(73,0.5) v1(75,0.5) v1(80,0.5) v1(83,0.5) v1(87,0.5) v1(90,0.5) v1(94,0.5) v1(96,0.5) v1(99,0.5) v1(102,0.5) v1(105,0.5) v1(110,0.5) v1(112,0.5) v1(117,0.5) v1(121,0.5) v1(122,0.5) v1(124,0.5) v1(127,0.5) v1(130,0.5) v1(133,0.5) v1(135,0.5) v1(138,0.5) v1(141,0.5) v1(142,0.5) v1(146,0.5) v1(147,0.5) v1(151,0.5) v1(156,0.5) v1(161,0.5) v1(166,0.5) v1(172,0.5) v1(176,0.5) v1(179,0.5) v1(182,0.5) v1(186,0.5) v1(187,0.5) arc(190.18,1.82) v1(191.5,5) v1(191.5,7) v1(191.5,10) v1(191.5,12) v1(191.5,13) v1(191.5,16) v1(191.5,20) arc(193.11,23.89) v1(197,25.5) v1(201,25.5) v1(202,25.5) v1(205,25.5) v1(208,25.5) v1(211,25.5) v1(212,25.5) v1(214,25.5) v1(218,25.5) v1(224,25.5) v1(227,25.5) arc(230.18,26.82) 231.5,30 v1(231.5,36) v1(231.5,38) v1(231.5,43) v1(231.5,45) 231.5,49 231.5,77 231.5,90 231.5,109 v1(231.5,120) v1(231.5,122) v1(231.5,127) v1(231.5,130) v1(231.5,132) v1(231.5,133) 231.5,140 231.5,145 231.5,172 231.5,173 v1(231.5,203) v1(231.5,204) v1(231.5,205) v1(231.5,210) v1(231.5,214) v1(231.5,217) v1(231.5,218) v1(231.5,220) arc(230.18,223.18) v1(227,224.5) 224.99,224.5 ; v1(0.5,36) v1(0.5,38) v1(0.5,39) v1(0.5,42) v1(0.5,45) v1(0.5,47) 0.5,52.97 v1(0.5,54) ; v1(0.5,215.97) v1(0.5,214) v1(0.5,213) v1(0.5,210) v1(0.5,209) v1(0.5,206) v1(0.5,205) v1(0.5,202) v1(0.5,201) v1(0.5,198) v1(0.5,197) v1(0.5,194) v1(0.5,193) v1(0.5,190) v1(0.5,189) v1(0.5,186) v1(0.5,185) v1(0.5,182) v1(0.5,181) v1(0.5,178) v1(0.5,177) v1(0.5,175) v1(0.5,174) v1(0.5,173) v1(0.5,172) v1(0.5,170) v1(0.5,169) v1(0.5,167) v1(0.5,166) v1(0.5,165) v1(0.5,163) v1(0.5,162) v1(0.5,161) v1(0.5,158) v1(0.5,157) v1(0.5,154) v1(0.5,153) v1(0.5,151) v1(0.5,150) v1(0.5,149) v1(0.5,148) v1(0.5,146) v1(0.5,145) v1(0.5,143) v1(0.5,142) v1(0.5,141) v1(0.5,139) v1(0.5,138) v1(0.5,137) v1(0.5,135) ; 224.99,224.5 v1(225,224.5) ; 224.99,224.5 v1(220,224.5) v1(217,224.5) v1(215,224.5) v1(212,224.5) v1(211,224.5) v1(209,224.5) v1(207,224.5) v1(205,224.5) v1(200,224.5) v1(197,224.5) arc(193.11,226.11) v1(191.5,230) v1(191.5,235) v1(191.5,236.03) v1(191.5,237.05) v1(191.5,238.08) v1(191.5,239.1) v1(191.5,240.13) v1(191.5,241.16) v1(191.5,242.18) v1(191.5,243.21) v1(191.5,245) arc(190.18,248.18) v1(187,249.5) v1(185,249.5) v1(181,249.5) v1(179,249.5) v1(172,249.5) v1(169,249.5) v1(166,249.5) v1(163,249.5) v1(160,249.5) v1(157,249.5) v1(154,249.5) v1(149,249.5) v1(146,249.5) v1(143,249.5) v1(142,249.5) v1(137,249.5) v1(133,249.5) v1(126,249.5) v1(122,249.5) v1(119,249.5) v1(116,249.5) v1(113,249.5) v1(107,249.5) v1(105,249.5) v1(102,249.5) v1(97,249.5) v1(94,249.5) v1(91,249.5) v1(87,249.5) v1(83,249.5) v1(78,249.5) v1(74,249.5) v1(69,249.5) v1(66,249.5) v1(62,249.5) v1(58,249.5) v1(57,249.5) v1(54,249.5) v1(51,249.5) v1(47,249.5) v1(44,249.5) v1(41,249.5) v1(40,249.5) v1(32,249.5) v1(29,249.5) v1(26,249.5) v1(25,249.5) v1(21,249.5) v1(17,249.5) v1(14,249.5) v1(12,249.5) v1(8,249.5) v1(5,249.5) arc(1.82,248.18) v1(0.5,245) ; 224.99,224.5 arc(224.99,224.5) 224.99,224.5 ; v1(0.5,245) 0.5,244.99 arc(0.5,244.99) 0.5,244.99 ; v1(0.5,245) v1(0.5,243.97) v1(0.5,242.95) v1(0.5,241.92) v1(0.5,240.9) v1(0.5,239.87) v1(0.5,238.84) v1(0.5,237.82) v1(0.5,236.79) v1(0.5,235.77) 0.5,233.71 ; v1(0.5,31) v1(0.5,32) ; v1(0.5,104) 0.5,102.97 v1(0.5,100) v1(0.5,97) v1(0.5,96) v1(0.5,93) v1(0.5,88) v1(0.5,85) ; v1(0.5,129) 0.5,127.97 v1(0.5,127) v1(0.5,125) v1(0.5,123) v1(0.5,120) v1(0.5,117) v1(0.5,112) v1(0.5,110) ; v1(0.5,60) v1(0.5,63) v1(0.5,66) v1(0.5,69) v1(0.5,72) v1(0.5,74) v1(0.5,76) 0.5,77.97 v1(0.5,79) ; v1(0.5,26) v1(0.5,27)
  L1 Top w0.5: v2(41.1,123.8) J5.20 v2(37.9,123.8) ; v2(46,97.8) 46,98.85 ; v2(45,97.8) C98.2 ; v2(46.8,68.2) C92.2 ; v2(44,47.8) 44,48.85 ; v2(31.5,90.4) J4.10 v2(29.5,91.2) ; v2(37.9,48.8) J2.20 v2(41.1,48.8) ; v2(41.1,68.6) 41.07,68.6 40.72,68.95 39.55,68.95 J3.14 v2(37.9,69) ; v2(33.2,48.4) J2.1 v2(29.5,48.4) ; v2(33.2,98.4) J4.1 v2(29.5,98.4) ; v2(46,47.8) 46,48.85 ; U17.10 155.06,50.14 v1(155.58,50.14) ; v2(37.9,94) J4.14 39.55,93.95 40.72,93.95 41.07,93.6 v2(41.1,93.6) ; v2(41.1,71.8) 41.07,71.8 40.72,71.45 39.55,71.45 J3.17 v2(37.9,71.4) ; v2(41.1,116.6) J5.11 v2(37.9,116.6) ; 46,116.55 v2(46,117.6) ; C101.2 v2(46.8,122.2) ; 44,41.55 v2(44,42.6) ; 44,91.55 v2(44,92.6) ; 46,66.55 v2(46,67.6) ; v2(45,47.8) C89.2 ; v2(29.5,123.4) J5.1 v2(33.2,123.4) ; v2(37.9,119) J5.14 39.55,118.95 40.72,118.95 41.07,118.6 v2(41.1,118.6) ; v2(31.5,65.4) J3.10 v2(29.5,66.2) ; v2(37.9,66.6) v2(41.1,66.6) ; C87.2 v2(45,42.6) ; v2(46,122.8) 46,123.85 ; v2(37.9,91.6) J4.11 v2(41.1,91.6) ; v2(37.9,46.4) J2.17 39.55,46.45 40.72,46.45 41.07,46.8 v2(41.1,46.8) ; 46,91.55 v2(46,92.6) ; v2(37.9,41.6) J2.11 v2(41.1,41.6) ; v2(29.5,116.2) J5.10 v2(31.5,115.4) ; v2(45,72.8) C93.2 ; v2(41.1,121.8) 41.07,121.8 40.72,121.45 39.55,121.45 J5.17 v2(37.9,121.4) ; C97.2 v2(46.8,97.2) ; v2(46.8,118.2) C99.2 ; v2(41.1,98.8) J4.20 v2(37.9,98.8) ; C90.2 v2(46.8,47.2) ; 46.8,71.34 v2(46.8,72.2) ; v2(37.9,96.4) J4.17 39.55,96.45 40.72,96.45 41.07,96.8 v2(41.1,96.8) ; C96.2 v2(45,92.6) ; v2(46.8,43.2) C88.2 ; 44,116.55 v2(44,117.6) ; v2(37.9,44) J2.14 39.55,43.95 40.72,43.95 41.07,43.6 v2(41.1,43.6) ; v2(37.9,73.8) v2(41.1,73.8) ; 46,41.55 v2(46,42.6) ; C100.2 v2(45,117.6) ; v2(44,122.8) 44,123.85 ; 44,66.35 v2(44,67.4) ; v2(44,72.6) 44,73.65 ; v2(44,97.8) 44,98.85 ; v2(45,122.8) C102.2 ; v2(29.5,41.2) J2.10 v2(31.5,40.4) ; C91.2 v2(45,67.6) ; v2(46,72.8) 46,73.85 ; v2(33.2,73.4) J3.1 v2(29.5,73.4) ; v2(46.8,93.2) C95.2